# KiCad board vme-wren.kicad_pcb (continued)
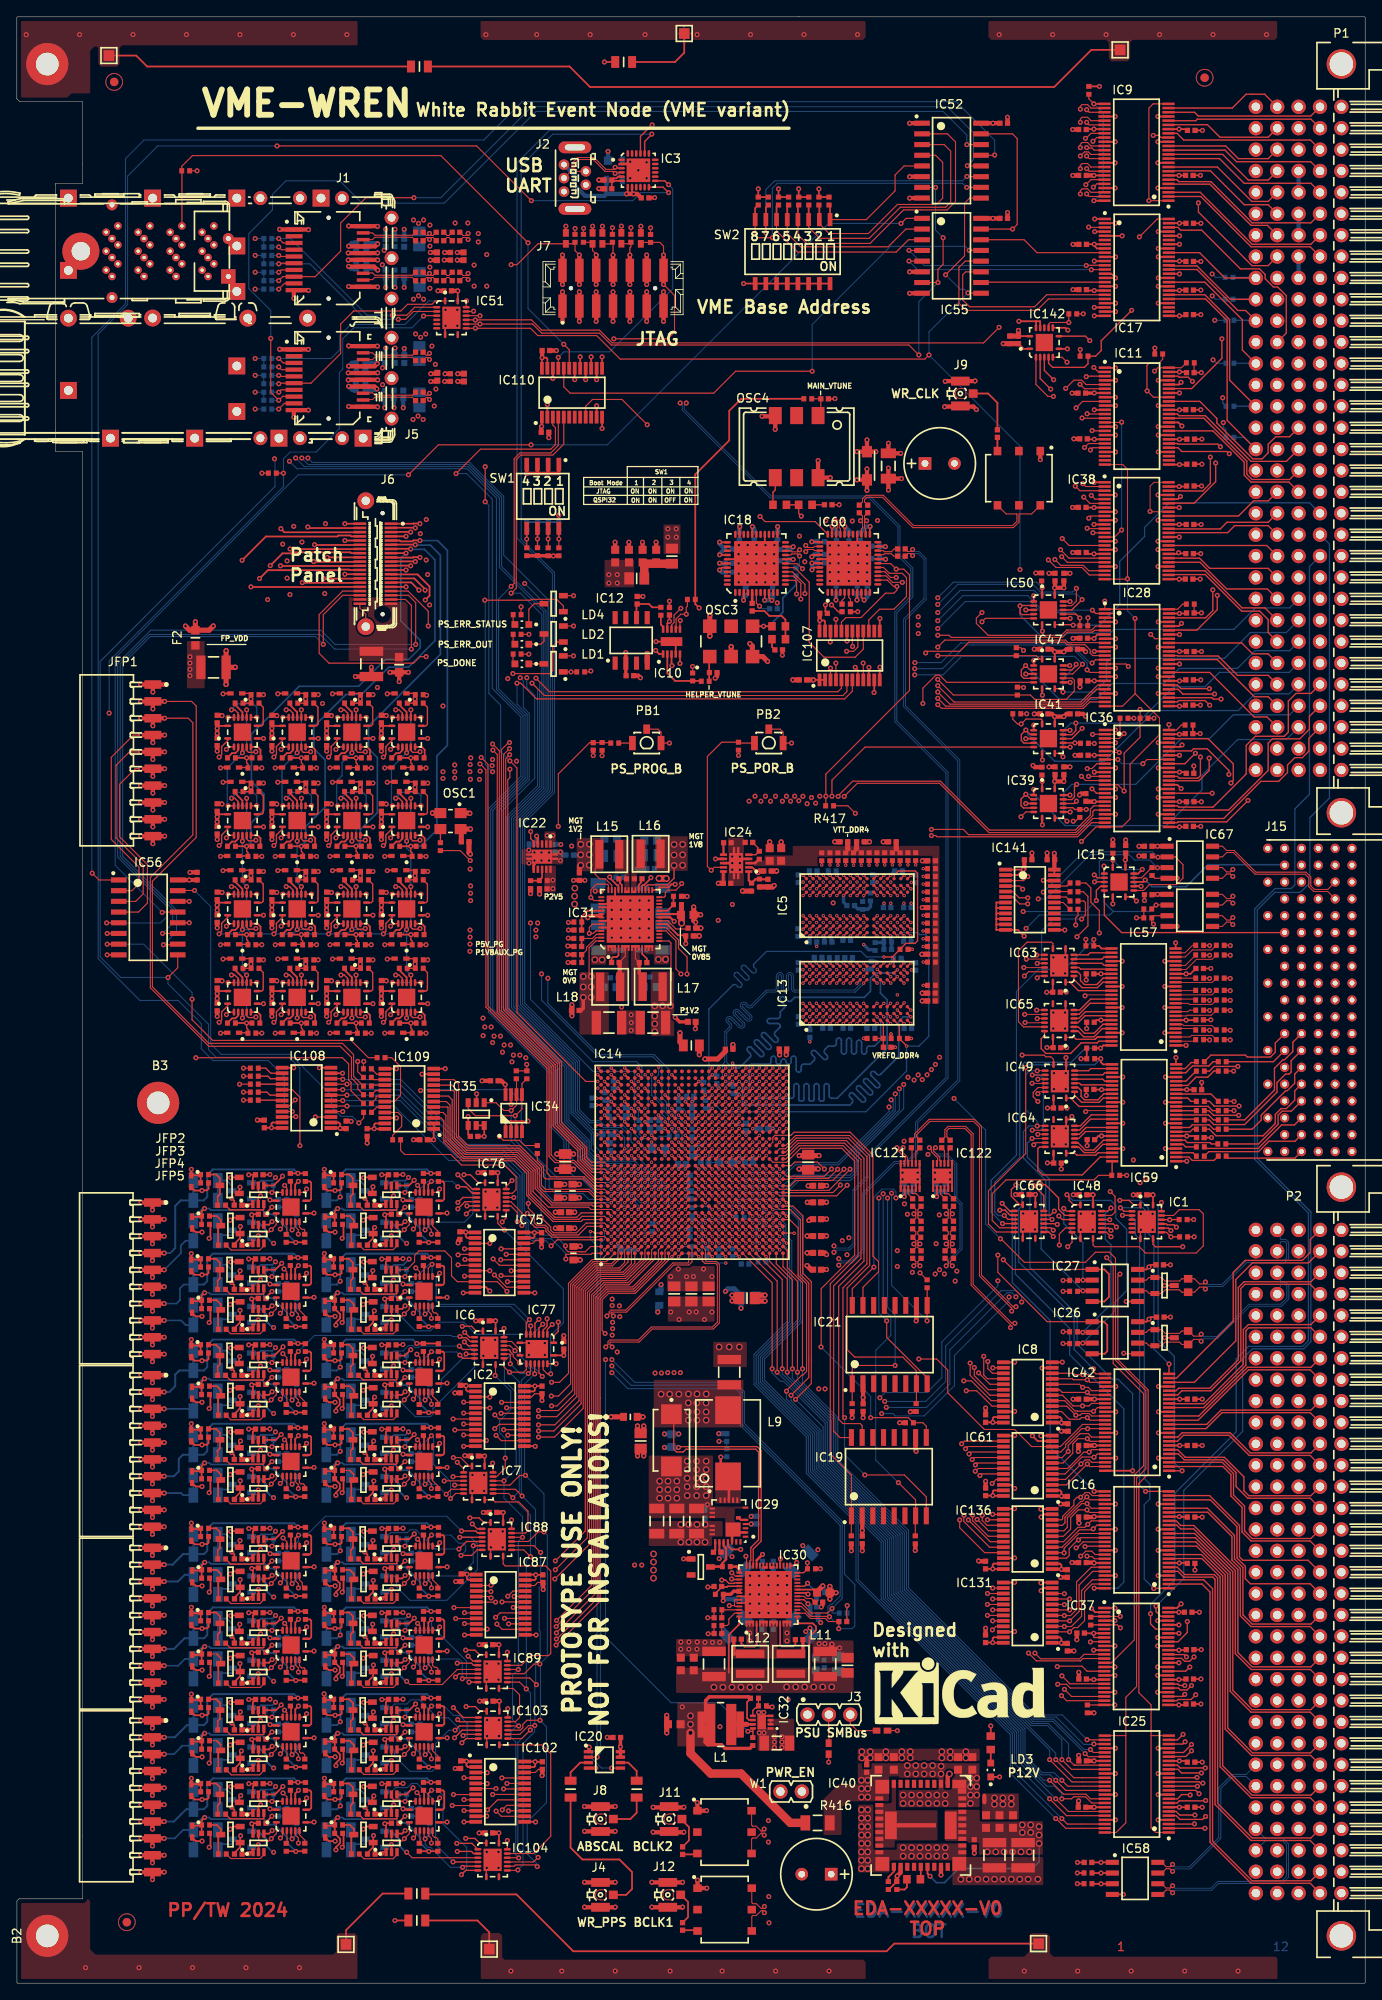
[diagram p0: board, top side]
## Nets (continued)
P1V8: C21.1 C27.2 C29.2 C42.2 C43.2 C44.2 C45.2 C46.2 C67.2 C74.2 C87.2 C104.2 C105.2 C106.2 C107.2 C110.2 C111.2 C115.2 C123.2 C129.2 C138.2 C139.2 C145.2 C147.2 C149.2 C151.2 C152.2 C154.1 C158.1 C159.1 C170.1 C172.1 C191.1 C192.1 C221.1 C245.1 C263.2 C280.1 C283.1 C284.1 C285.1 C303.1 C304.1 C350.2 C351.2 C377.1 C379.1 C393.1 C398.1 C399.1 C404.1 C405.1 C408.1 C414.1 C415.1 C420.1 C421.1 C426.1 C427.1 C430.1 C436.1 C437.1 C442.1 C443.1 C448.1 C449.1 C454.1 C455.1 C458.1 C465.1 C467.1 C487.1 C489.1 C492.1 C493.1 C498.1 C499.1 C504.1 C505.1 C510.1 C511.1 C526.1 C536.1 C547.1 IC2.1 IC2.2 IC8.1 IC8.2 IC14.AB17 IC14.AC5 IC14.AD8 IC14.AE16 IC14.AG7 IC14.AG17 IC14.B7 IC14.D3 IC14.D18 IC14.E6 IC14.G17 IC14.H5 IC14.J3 IC14.L4 IC14.M13 IC14.M14 IC14.M15 IC14.M16 IC14.N16 IC14.U19 IC14.U20 IC14.V19 IC14.W19 IC16.31 IC16.42 IC17.31 IC17.42 IC18.21 IC18.32 IC18.39 IC18.40 IC19.2 IC21.2 IC25.31 IC25.42 IC30.15 IC30.22 IC30.56 IC33.6 IC34.8 IC35.5 IC35.6 IC42.31 IC42.42 IC43.6 IC45.6 IC46.6 IC54.6 IC60.21 IC60.32 IC60.39 IC60.40 IC61.1 IC61.2 IC68.6 IC70.6 IC71.6 IC73.6 IC74.6 IC75.1 IC75.2 IC79.6 IC80.6 IC82.6 IC83.6 IC85.6 IC86.6 IC87.1 IC87.2 IC91.6 IC92.6 IC94.6 IC95.6 IC97.6 IC98.6 IC100.6 IC101.6 IC102.1 IC102.2 IC106.6 IC107.1 IC107.2 IC108.1 IC108.2 IC109.1 IC109.2 IC110.1 IC111.6 IC113.6 IC114.6 IC116.6 IC117.6 IC119.6 IC120.6 IC131.1 IC131.2 IC136.1 IC136.2 IC141.1 IC141.2 L5.1 L6.1 L11.2 L12.2 R8.2 R12.2 R13.2 R14.2 R15.2 R16.2 R63.2 R169.2 R226.2
P2V5: C150.2 C153.2 C155.2 C156.2 C214.2 IC5.B1 IC5.R9 IC13.B1 IC13.R9 IC22.9 IC22.10 R62.2
P3V3: C6.2 C7.2 C8.1 C14.2 C20.1 C22.2 C23.2 C24.2 C26.2 C28.1 C47.1 C50.1 C51.1 C54.2 C55.1 C56.2 C57.2 C58.2 C62.1 C63.1 C70.2 C71.1 C72.2 C73.2 C88.2 C100.2 C101.2 C108.2 C109.2 C114.2 C118.2 C119.2 C124.2 C125.2 C132.2 C137.2 C141.1 C142.1 C143.2 C144.2 C163.1 C164.2 C166.1 C167.1 C168.1 C173.1 C176.1 C177.1 C186.1 C187.1 C189.1 C190.2 C207.1 C208.1 C209.1 C210.2 C212.1 C213.2 C215.2 C216.2 C217.2 C219.2 C222.2 C223.2 C226.2 C227.2 C228.1 C229.1 C234.2 C235.2 C236.2 C237.2 C238.1 C239.1 C240.1 C241.1 C242.2 C243.2 C244.1 C249.1 C250.2 C251.2 C252.1 C253.1 C254.2 C268.2 C269.1 C274.2 C277.1 C278.1 C279.1 C297.1 C301.2 C305.2 C306.1 C307.1 C308.2 C318.1 C319.1 C320.2 C321.2 C322.2 C323.2 C345.1 C346.2 C347.2 C348.2 C352.2 C354.1 C370.2 C371.2 C372.1 C373.1 C376.1 C378.1 C380.1 C381.2 C382.1 C383.2 C384.1 C385.2 C386.1 C387.2 C388.2 C389.2 C390.2 C391.2 C392.2 C394.1 C395.1 C396.1 C397.2 C400.1 C401.1 C402.1 C403.2 C406.2 C407.1 C409.2 C410.1 C411.1 C412.1 C413.2 C416.1 C417.1 C418.1 C419.2 C422.1 C423.1 C424.1 C425.2 C428.2 C429.1 C431.2 C432.1 C433.1 C434.1 C435.2 C438.1 C439.1 C440.1 C441.2 C444.1 C445.1 C446.1 C447.2 C450.1 C451.1 C452.1 C453.2 C456.2 C457.1 C459.2 C460.1 C461.1 C462.1 C463.2 C464.1 C466.1 C486.1 C488.1 C490.2 C491.1 C494.1 C495.1 C496.1 C497.2 C500.1 C501.1 C502.1 C503.2 C506.1 C507.1 C508.1 C509.2 C512.2 C517.1 C518.2 C519.1 C520.2 C521.1 C522.2 C523.1 C524.2 C525.1 C527.1 C528.2 C529.1 C530.2 C531.1 C532.2 C533.1 C534.2 C535.1 C537.1 C538.2 C539.1 C540.2 C541.1 C542.2 C543.1 C544.2 C546.1 C548.1 C549.1 D11.2 D12.2 D15.2 D16.2 D19.2 D20.2 D23.2 D24.2 D27.2 D28.2 D31.2 D32.2 D35.2 D36.2 D39.2 D40.2 D43.2 D44.2 D47.2 D50.2 D53.2 D54.2 D57.2 D58.2 D61.2 D62.2 D65.2 D66.2 D67.2 D68.2 D71.2 D72.2 IC1.16 IC2.23 IC2.24 IC6.16 IC7.16 IC8.23 IC8.24 IC9.7 IC9.8 IC9.11 IC9.18 IC9.25 IC9.31 IC9.35 IC9.38 IC9.42 IC9.44 IC9.47 IC11.7 IC11.11 IC11.18 IC11.25 IC11.31 IC11.35 IC11.38 IC11.42 IC11.44 IC11.47 IC14.AA14 IC14.AC10 IC14.AD13 IC14.AG12 IC14.B12 IC14.C15 IC14.E11 IC14.F14 IC14.H20 IC14.L19 IC14.M17 IC14.P18 IC15.14 IC16.7 IC16.18 IC17.7 IC17.18 IC20.1 IC20.7 IC20.8 IC22.1 IC22.2 IC23.14 IC24.7 IC24.10 IC25.7 IC25.18 IC26.8 IC27.8 IC28.7 IC28.11 IC28.18 IC28.25 IC28.31 IC28.35 IC28.38 IC28.42 IC28.44 IC28.47 IC29.22 IC30.20 IC31.20 IC33.1 IC36.7 IC36.11 IC36.18 IC36.25 IC36.31 IC36.35 IC36.38 IC36.42 IC36.44 IC36.47 IC37.7 IC37.8 IC37.11 IC37.18 IC37.25 IC37.31 IC37.35 IC37.38 IC37.41 IC37.42 IC37.44 IC37.47 IC38.7 IC38.11 IC38.18 IC38.25 IC38.31 IC38.35 IC38.38 IC38.42 IC38.44 IC38.47 IC39.14 IC40.27 IC40.34 IC40.35 IC40.36 IC40.37 IC40.38 IC40.41 IC41.14 IC42.7 IC42.18 IC43.1 IC44.14 IC45.1 IC46.1 IC47.14 IC48.16 IC49.16 IC50.14 IC51.16 IC52.16 IC53.14 IC54.1 IC55.16 IC56.16 IC57.1 IC58.1 IC59.1 IC59.7 IC59.18 IC59.24 IC59.31 IC59.42 IC61.23 IC61.24 IC62.14 IC63.16 IC64.16 IC65.16 IC66.16 IC67.1 IC68.1 IC69.14 IC70.1 IC71.1 IC72.14 IC73.1 IC74.1 IC75.23 IC75.24 IC76.16 IC77.16 IC78.14 IC79.1 IC80.1 IC81.14 IC82.1 IC83.1 IC84.14 IC85.1 IC86.1 IC87.23 IC87.24 IC88.16 IC89.16 IC90.14 IC91.1 IC92.1 IC93.14 IC94.1 IC95.1 IC96.14 IC97.1 IC98.1 IC99.14 IC100.1 IC101.1 IC102.23 IC102.24 IC103.16 IC104.16 IC105.14 IC106.1 IC107.23 IC107.24 IC108.23 IC108.24 IC109.23 IC109.24 IC110.23 IC110.24 IC111.1 IC112.14 IC113.1 IC114.1 IC115.14 IC116.1 IC117.1 IC118.14 IC119.1 IC120.1 IC121.2 IC122.2 IC123.1 IC123.7 IC123.18 IC123.24 IC123.31 IC123.42 IC124.14 IC125.14 IC126.14 IC127.14 IC128.14 IC129.14 IC130.14 IC131.23 IC131.24 IC132.14 IC133.14 IC134.14 IC135.14 IC136.23 IC136.24 IC137.14 IC138.14 IC139.14 IC140.14 IC141.23 IC141.24 IC142.14 J7.2 L3.2 L4.2 L7.1 L8.2 L13.1 L19.2 OSC1.1 OSC1.4 R2.2 R3.2 R4.2 R5.2 R6.2 R7.2 R9.2 R10.2 R17.2 R18.2 R19.2 R24.2 R25.2 R26.2 R30.2 R31.2 R46.2 R48.2 R49.2 R51.2 R52.2 R53.2 R54.2 R55.2 R56.2 R59.2 R60.2 R61.2 R67.2 R69.2 R89.2 R92.2 R99.2 R101.2 R102.2 R104.2 R117.2 R118.2 R128.2 R133.2 R140.2 R141.2 R148.2 R154.2 R155.2 R168.2 R170.2 R171.2 R177.2 R178.2 R186.2 R189.2 R196.2 R197.2 R198.2 R203.2 R204.2 R223.2 R227.1 R254.2 R255.2 R260.2 R263.2 R264.2 R273.2 R274.2 R287.2 R288.2 R301.2 R302.2 R316.2 R329.2 R330.1 R343.1 R344.1 R357.1 R358.1 R371.1 R372.1 R385.1 R388.2 R389.2 R390.2 R391.2 R392.2 R393.2 R394.2 R395.2 R403.1 R585.2 R586.2 R587.2 R588.2 R589.2 R590.2 R591.2 R592.2 R593.2 R594.2 R595.2
P3V3_CLK: C17.2 C18.2 C68.2 C69.2 C77.2 C121.2 C122.2 C218.2 C255.2 C256.2 C257.2 C258.2 C259.2 C260.2 C261.2 C262.2 C264.2 C267.2 IC10.5 IC10.9 IC12.2 IC18.3 IC18.8 IC18.9 IC18.18 IC18.23 IC18.29 IC18.34 IC18.37 IC60.3 IC60.8 IC60.9 IC60.18 IC60.23 IC60.29 IC60.34 IC60.37 L14.2 OSC3.2 OSC3.6
P3V3_VME: P1.D12 P1.D14 P1.D16 P1.D18 P1.D20 P1.D22 P1.D24 P1.D26 P1.D28 P1.D30
P5V_STDBY_VME: P1.B31
P5V_VME: C188.2 C193.2 C196.2 C197.2 C206.1 C211.2 F1.1 F2.1 IC40.1 IC40.3 IC40.11 IC40.12 IC40.39 IC40.40 P1.A32 P1.B32 P1.C32 P2.B1 P2.B13 P2.B32 R416.2
P12V: C1.1 C2.1 C169.1 C171.1 C324.1 C325.1 C326.1 C327.1 C328.1 C329.1 C330.1 C331.1 C332.1 C333.1 C334.1 C335.1 C336.1 C337.1 C338.1 C339.1 C349.1 IC29.16 IC29.17 IC29.18 IC30.1 IC30.2 IC30.3 IC30.12 IC30.13 IC30.14 IC30.32 IC30.39 IC31.1 IC31.2 IC31.3 IC31.12 IC31.13 IC31.14 IC31.32 IC31.39 IC32.2 IC32.3 P1.C31 R251.1
VCC_PSADC: C97.2 C98.2 IC14.P12 IC14.Y20 L6.2
VCC_PSDDR_PLL: C32.2 C96.2 IC14.U16 IC14.U18 L5.2
VCC_PSPLL: C83.2 C84.2 C281.1 IC14.T16 IC14.T17 IC14.T18 IC30.23 R206.2
/clocks/FPGA-PL_CLKSYS_N: IC14.C4 IC60.31
/clocks/FPGA-PL_CLKSYS_P: IC14.D4 IC60.30
/clocks/FPGA-PS_CLKREF: IC14.R16 R27.2
/clocks/PLLDAC_OUT1: C76.2 OSC4.1 R58.2
/clocks/PLLDAC_OUT2: C75.2 OSC3.1 R57.2
/clocks/TRAFO1_N: C248.1 TR2.6
/clocks/TRAFO1_P: C246.1 TR2.4
/clocks/WR_CLK_SFP_AC_N: C266.2 IC60.19
/clocks/WR_CLK_SFP_AC_P: C265.2 IC60.20
/DDR4-PS.A0: IC5.P3 IC13.P3 IC14.W28 R70.1
/DDR4-PS.A1: IC5.P7 IC13.P7 IC14.Y28 R71.1
/DDR4-PS.A2: IC5.R3 IC13.R3 IC14.AB28 R72.1
/DDR4-PS.A3: IC5.N7 IC13.N7 IC14.AA28 R73.1
/DDR4-PS.A4: IC5.N3 IC13.N3 IC14.Y27 R74.1
/DDR4-PS.A5: IC5.P8 IC13.P8 IC14.AA27 R75.1
/DDR4-PS.A6: IC5.P2 IC13.P2 IC14.Y22 R76.1
/DDR4-PS.A7: IC5.R8 IC13.R8 IC14.AA23 R77.1
/DDR4-PS.A8: IC5.R2 IC13.R2 IC14.AA22 R78.1
/DDR4-PS.A9: IC5.R7 IC13.R7 IC14.AB23 R79.1
/DDR4-PS.A10: IC5.M3 IC13.M3 IC14.AA25 R80.1
/DDR4-PS.A11: IC5.T2 IC13.T2 IC14.AA26 R81.1
/DDR4-PS.A12: IC5.M7 IC13.M7 IC14.AB25 R82.1
/DDR4-PS.A13: IC5.T8 IC13.T8 IC14.AB26 R83.1
/DDR4-PS.ACTN: IC5.L3 IC13.L3 IC14.Y23 R97.1
/DDR4-PS.ALERTN: IC5.P9 IC13.P9 IC14.U25 R113.1
/DDR4-PS.BA0: IC5.N2 IC13.N2 IC14.V23 R108.1
/DDR4-PS.BA1: IC5.N8 IC13.N8 IC14.W22 R109.1
/DDR4-PS.BG0: IC5.M2 IC13.M2 IC14.W24 R110.1
/DDR4-PS.CASN: IC5.M8 IC13.M8 IC14.AC24 R85.1
/DDR4-PS.CK_N: IC5.K8 IC13.K8 IC14.W26 R112.1
/DDR4-PS.CK_P: IC5.K7 IC13.K7 IC14.W25 R111.1
/DDR4-PS.CKE: IC5.K2 IC13.K2 IC14.V28 R96.1
/DDR4-PS.CSN: IC5.L7 IC13.L7 IC14.W27 R106.1
/DDR4-PS.DM0: IC13.E7 IC14.AG20
/DDR4-PS.DM1: IC13.E2 IC14.AE23
/DDR4-PS.DM2: IC5.E7 IC14.AE25
/DDR4-PS.DM3: IC5.E2 IC14.AE28
/DDR4-PS.DQ0: IC13.G2 IC14.AH21
/DDR4-PS.DQ1: IC13.F7 IC14.AD21
/DDR4-PS.DQ2: IC13.H3 IC14.AD20
/DDR4-PS.DQ3: IC13.H7 IC14.AF20
/DDR4-PS.DQ4: IC13.H2 IC14.AH20
/DDR4-PS.DQ5: IC13.H8 IC14.AE20
/DDR4-PS.DQ6: IC13.J3 IC14.AH19
/DDR4-PS.DQ7: IC13.J7 IC14.AG19
/DDR4-PS.DQ8: IC13.A3 IC14.AG24
/DDR4-PS.DQ9: IC13.B8 IC14.AE24
/DDR4-PS.DQ10: IC13.C3 IC14.AF22
/DDR4-PS.DQ11: IC13.C7 IC14.AH23
/DDR4-PS.DQ12: IC13.C2 IC14.AH22
/DDR4-PS.DQ13: IC13.C8 IC14.AH24
/DDR4-PS.DQ14: IC13.D3 IC14.AE22
/DDR4-PS.DQ15: IC13.D7 IC14.AD22
/DDR4-PS.DQ16: IC5.G2 IC14.AH26
/DDR4-PS.DQ17: IC5.F7 IC14.AD24
/DDR4-PS.DQ18: IC5.H3 IC14.AG26
/DDR4-PS.DQ19: IC5.H7 IC14.AC26
/DDR4-PS.DQ20: IC5.H2 IC14.AH25
/DDR4-PS.DQ21: IC5.H8 IC14.AD26
/DDR4-PS.DQ22: IC5.J3 IC14.AG25
/DDR4-PS.DQ23: IC5.J7 IC14.AD25
/DDR4-PS.DQ24: IC5.A3 IC14.AD28
/DDR4-PS.DQ25: IC5.B8 IC14.AC28
/DDR4-PS.DQ26: IC5.C3 IC14.AD27
/DDR4-PS.DQ27: IC5.C7 IC14.AC27
/DDR4-PS.DQ28: IC5.C2 IC14.AG28
/DDR4-PS.DQ29: IC5.C8 IC14.AF28
/DDR4-PS.DQ30: IC5.D3 IC14.AH28
/DDR4-PS.DQ31: IC5.D7 IC14.AH27
/DDR4-PS.DQS_N0: IC13.F3 IC14.AG21
/DDR4-PS.DQS_N1: IC13.A7 IC14.AG23
/DDR4-PS.DQS_N2: IC5.F3 IC14.AF26
/DDR4-PS.DQS_N3: IC5.A7 IC14.AF27
/DDR4-PS.DQS_P0: IC13.G3 IC14.AF21
/DDR4-PS.DQS_P1: IC13.B7 IC14.AF23
/DDR4-PS.DQS_P2: IC5.G3 IC14.AF25
/DDR4-PS.DQS_P3: IC5.B7 IC14.AE27
/DDR4-PS.ODT: IC5.K3 IC13.K3 IC14.U28 R107.1
/DDR4-PS.PAR: IC5.T3 IC13.T3 IC14.V24 R105.1
/DDR4-PS.RASN: IC5.L8 IC13.L8 IC14.AC23 R91.1
/DDR4-PS.RSTN: IC5.P1 IC13.P1 IC14.U23 R115.2
/DDR4-PS.WEN: IC5.L2 IC13.L2 IC14.AB24 R84.1
/ddr4-ps/DDR4-PS_VREF0: C224.2 IC13.M1 R44.2 R194.1
/ddr4-ps/DDR4-PS_VREF1: C225.2 IC5.M1 R119.2 R195.1
/ddr4-ps/DDR4-PS_ZQ0: IC13.F9 R23.2
/ddr4-ps/DDR4-PS_ZQ1: IC5.F9 R34.2
/fp_connectors/FP_VDD: C545.1 F2.2 JFP1.8
/FP_ID0: IC56.2 JFP1.4
/FP_ID1: IC56.3 JFP1.5
/FP_ID2: IC56.4 JFP1.6
/FP_IO0: D3.1 JFP2.2 R32.2 R33.2 R35.2 R42.1 R476.2 R477.2
/FP_IO1: D9.1 JFP2.3 R28.2 R29.2 R36.2 R41.2 R43.1 R454.2
/FP_IO2: D13.1 JFP2.4 R129.2 R130.2 R131.2 R136.1 R478.2 R479.2
/FP_IO3: D14.1 JFP2.5 R50.2 R123.2 R132.2 R135.2 R137.1 R457.2
/FP_IO4: D17.1 JFP2.7 R144.2 R145.2 R146.2 R150.1 R480.2 R481.2
/FP_IO5: D18.1 JFP2.8 R142.2 R143.2 R147.2 R149.2 R151.1 R459.2
/FP_IO6: D21.1 JFP2.9 R158.2 R159.2 R166.2 R173.1 R482.2 R483.2
/FP_IO7: D22.1 JFP2.10 R156.2 R157.2 R167.2 R172.2 R174.1 R461.2
/FP_IO8: D33.1 JFP3.2 R277.2 R278.2 R279.2 R283.1 R486.2 R487.2
/FP_IO9: D34.1 JFP3.3 R275.2 R276.2 R280.2 R282.2 R284.1 R465.2
/FP_IO10: D37.1 JFP3.4 R291.2 R292.2 R293.2 R297.1 R488.2 R489.2
/FP_IO11: D38.1 JFP3.5 R289.2 R290.2 R294.2 R296.2 R298.1 R466.2
/FP_IO12: D41.1 JFP3.7 R305.2 R306.2 R307.2 R311.1 R490.2 R491.2
/FP_IO13: D42.1 JFP3.8 R303.2 R304.2 R308.2 R310.2 R312.1 R467.2
/FP_IO14: D25.1 JFP3.9 R182.2 R183.2 R184.2 R269.1 R484.2 R485.2
/FP_IO15: D26.1 JFP3.10 R179.2 R180.2 R185.2 R268.2 R270.1 R464.2
/FP_IO16: D51.1 JFP4.2 R347.2 R348.2 R349.2 R353.1 R496.2 R497.2
/FP_IO17: D52.1 JFP4.3 R345.2 R346.2 R350.2 R352.2 R354.1 R470.2
/FP_IO18: D45.1 JFP4.4 R319.2 R320.2 R321.2 R325.1 R492.2 R493.2
/FP_IO19: D46.1 JFP4.5 R317.2 R318.2 R322.2 R324.2 R326.1 R468.2
/FP_IO20: D48.1 JFP4.7 R333.2 R334.2 R335.2 R339.1 R494.2 R495.2
/FP_IO21: D49.1 JFP4.8 R331.2 R332.2 R336.2 R338.2 R340.1 R469.2
/FP_IO22: D55.1 JFP4.9 R361.2 R362.2 R363.2 R367.1 R498.2 R499.2
/FP_IO23: D56.1 JFP4.10 R359.2 R360.2 R364.2 R366.2 R368.1 R471.2
/FP_IO24: D59.1 JFP5.2 R375.2 R376.2 R377.2 R381.1 R500.2 R501.2
/FP_IO25: D60.1 JFP5.3 R373.2 R374.2 R378.2 R380.2 R382.1 R472.2
/FP_IO26: D73.1 JFP5.4 R434.2 R435.2 R436.2 R440.1 R506.2 R507.2
/FP_IO27: D74.1 JFP5.5 R432.2 R433.2 R437.2 R439.2 R441.1 R475.2
/FP_IO28: D63.1 JFP5.7 R406.2 R407.2 R408.2 R412.1 R502.2 R503.2
/FP_IO29: D64.1 JFP5.8 R404.2 R405.2 R409.2 R411.2 R413.1 R473.2
/FP_IO30: D69.1 JFP5.9 R420.2 R421.2 R422.2 R426.1 R504.2 R505.2
/FP_IO31: D70.1 JFP5.10 R418.2 R419.2 R423.2 R425.2 R427.1 R474.2
/FP_LED0_DATA: JFP1.2 R453.2
/FP_LED1_DATA: JFP1.3 R451.2
/fpga/F_P0.BUNCHCLK1: IC14.J11 IC15.9 IC67.2 R265.1
/fpga/F_P0.BUNCHCLK2: IC14.H12 IC15.12 IC67.3 R266.1
/fpga/F_P0.RS485_DATA0: IC14.W10 IC27.1 IC27.4
/fpga/F_P0.RS485_DATA1: IC14.Y10 IC26.1 IC26.4
/fpga/F_P0.TTC_DATA0: IC14.D11 IC58.2 R126.2
/fpga/F_P0.TTC_DATA1: IC14.D10 IC58.3 R192.2
/fpga/F_P0.TURNCLK1: IC14.F13 IC15.2 IC57.2 R124.2
/fpga/F_P0.TURNCLK2: IC14.E10 IC15.5 IC57.3 R122.2
/fpga/fpga-config/JTAG_TCK: D4.1 IC14.R19 J7.6 R52.1 R190.2
/fpga/fpga-config/JTAG_TDI: D6.1 IC14.R18 J7.10 R54.1
/fpga/fpga-config/JTAG_TDO: D5.1 IC14.T21 J7.8 R53.1
/fpga/fpga-config/JTAG_TMS: D2.1 IC14.N21 J7.4 R51.1
/fpga/fpga-config/PS_DONE: IC14.M21 R5.1 T2.1
/fpga/fpga-config/PS_ERR_OUT: IC14.P17 T3.1
/fpga/fpga-config/PS_ERR_STATUS: IC14.M20 T4.1
/fpga/fpga-config/PS_INIT_B: IC14.P21 R9.1
/fpga/fpga-config/PS_MODE0: IC14.P19 R7.1 R160.2 SW1.8
/fpga/fpga-config/PS_MODE1: IC14.P20 R24.1 R161.2 SW1.7
/fpga/fpga-config/PS_MODE2: IC14.R20 R118.1 R162.2 SW1.6
/fpga/fpga-config/PS_MODE3: IC14.T20 R128.1 R163.2 SW1.5
/fpga/fpga-config/PS_PROG_B: C302.2 IC14.R17 R170.1 R191.1
/fpga/fpga-config/PS_SRST_B: D1.1 IC14.N19 J7.14 R46.1
/fpga/fpga-hd-banks/F_SFP_LED_DATA: IC14.A10 R193.1
/fpga/fpga-hp-banks/F_FP_LED0_DATA: IC14.A8 IC109.7
/fpga/fpga-hp-banks/F_FP_LED1_DATA: IC14.B8 IC109.8
/fpga/fpga-hp-banks/F_IOEXP_ALL_OE_N: IC14.K7 IC108.3
/fpga/fpga-hp-banks/F_IOEXP_ALL_RST_N: IC14.A2 IC108.7
/fpga/fpga-hp-banks/F_IOEXP_FPIO_D: IC14.B6 IC109.4
/fpga/fpga-hp-banks/F_IOEXP_FPIO_RCLK: IC14.A5 IC108.9
/fpga/fpga-hp-banks/F_IOEXP_FPIO_SCLK: IC14.B5 IC108.10
/fpga/fpga-hp-banks/F_IOEXP_GPIO_D: IC14.C7 IC109.6
/fpga/fpga-hp-banks/F_IOEXP_GPIO_Q: IC14.G8 IC110.3
/fpga/fpga-hp-banks/F_IOEXP_GPIO_RCLK: IC14.A6 IC109.3
/fpga/fpga-hp-banks/F_IOEXP_GPIO_SCLK: IC14.A7 IC109.5
/fpga/fpga-hp-banks/F_IOEXP_HWBYTE1_D: IC14.V9 IC141.4
/fpga/fpga-hp-banks/F_IOEXP_HWBYTE1_RCLK: IC14.L7 IC141.5
/fpga/fpga-hp-banks/F_IOEXP_HWBYTE2_D: IC14.AE8 IC141.3
/fpga/fpga-hp-banks/F_IOEXP_HWBYTE2_RCLK: IC14.L1 IC141.6
/fpga/fpga-hp-banks/F_IOEXP_VME_D: IC14.B3 IC108.8
/fpga/fpga-hp-banks/F_IOEXP_VME_RCLK: IC14.A3 IC108.5
/fpga/fpga-hp-banks/F_IOEXP_VME_SCLK: IC14.A1 IC108.6
/fpga/fpga-hp-banks/F_PERST_N: IC14.L8 IC110.5
/fpga/fpga-hp-banks/F_PP_LED0_DATA: IC14.A9 IC109.9
/fpga/fpga-hp-banks/F_PP_LED1_DATA: IC14.B9 IC109.10
/fpga/fpga-hp-banks/F_SPI_HELPER_CS_N: IC14.M8 IC107.8
/fpga/fpga-hp-banks/F_SPI_MAIN_CS_N: IC14.N8 IC107.9
/fpga/fpga-hp-banks/F_WR_DAC_DIN: IC14.J7 IC107.6
/fpga/fpga-hp-banks/F_WR_DAC_SCLK: IC14.K9 IC107.5
/fpga/fpga-hp-banks/F_WR_DAC_SYNC: IC14.H8 IC107.7
/fpga/fpga-hp-banks/F_WR_UART_RXD: IC14.F8 IC108.4
/fpga/fpga-hp-banks/F_WR_UART_TXD: IC14.H9 IC110.4
/fpga/fpga-hp-banks/F_WRCLK_SPI_MISO: IC14.P9 IC110.9
/fpga/fpga-hp-banks/F_WRCLK_SPI_MOSI: IC14.N7 IC107.3
/fpga/fpga-hp-banks/F_WRCLK_SPI_SCK: IC14.N9 IC107.4
/fpga/fpga-hp-banks/HP4: IC14.AE7
/fpga/fpga-hp-banks/HP9: IC14.AB7
/fpga/fpga-hp-banks/HP50: IC14.U9
/fpga/fpga-hp-banks/HP54: IC14.R8
/fpga/fpga-hp-banks/HP55: IC14.T8
/fpga/fpga-hp-banks/HP72: IC14.J6
/fpga/fpga-hp-banks/HP98: IC14.K5
/fpga/fpga-hp-banks/HP132: IC14.C8
/fpga/fpga-mgts/BCLK_B1_DBG_N: C482.1 TR3.4
/fpga/fpga-mgts/BCLK_B1_DBG_P: C484.1 TR3.6
/fpga/fpga-mgts/BCLK_B2_DBG_N: C472.1 TR1.4
/fpga/fpga-mgts/BCLK_B2_DBG_P: C473.1 TR1.6
/fpga/fpga-mgts/IC121_O1_N: C481.2 IC121.10
/fpga/fpga-mgts/IC121_O1_P: C483.2 IC121.11
/fpga/fpga-mgts/IC122_O1_N: C470.2 IC122.10
/fpga/fpga-mgts/IC122_O1_P: C471.2 IC122.11
/fpga/fpga-mgts/SansDAC_BCLK_B1_N: C476.2 C479.2 IC14.W3
/fpga/fpga-mgts/SansDAC_BCLK_B1_P: C477.2 C480.2 IC14.W4
/fpga/fpga-mgts/SansDAC_BCLK_B2_N: C469.2 C474.2 IC14.U3
/fpga/fpga-mgts/SansDAC_BCLK_B2_P: C468.2 C475.2 IC14.U4
/fpga/GTH_BCLK_B1_N: C479.1 C481.1 IC14.AF6 R444.1
/fpga/GTH_BCLK_B1_P: C480.1 C483.1 IC14.AF7 R444.2
/fpga/GTH_BCLK_B2_N: C470.1 C474.1 IC14.AF5 R445.2
/fpga/GTH_BCLK_B2_P: C471.1 C475.1 IC14.AE5 R445.1
/fpga/PL_UART_RXD: IC3.12 IC108.21
/fpga/PL_UART_TXD: IC3.13 IC110.21
/fpga/PS_POR_B: IC14.P16 IC24.9 PB2.2 R168.1
/fpga/PS_UART_RXD: IC3.20 IC14.H16
/fpga/PS_UART_TXD: IC3.21 IC14.F16
/fpga/USERIO_A.DIR0: IC1.15 IC42.1
/fpga/USERIO_A.DIR1: IC1.1 IC42.24
/fpga/USERIO_A.DIR2: IC1.2 IC16.1
/fpga/USERIO_A.DIR3: IC1.3 IC16.24
/fpga/USERIO_A.IO0: IC14.T6 IC42.46 IC61.4
/fpga/USERIO_A.IO1: IC14.U8 IC42.47 IC61.3
/fpga/USERIO_A.IO2: IC14.V8 IC42.44 IC61.5
/fpga/USERIO_A.IO3: IC14.Y8 IC42.43 IC61.6
/fpga/USERIO_A.IO4: IC14.AB5 IC42.41 IC61.7
/fpga/USERIO_A.IO5: IC14.W8 IC42.40 IC61.8
/fpga/USERIO_A.IO6: IC14.AC4 IC42.38 IC61.9
/fpga/USERIO_A.IO7: IC14.E8 IC42.37 IC61.10
/fpga/USERIO_A.IO8: IC8.4 IC14.AB2 IC42.35
/fpga/USERIO_A.IO9: IC8.3 IC14.AB4 IC42.36
/fpga/USERIO_A.IO10: IC8.5 IC14.AB3 IC42.33
/fpga/USERIO_A.IO11: IC8.6 IC14.AC2 IC42.32
/fpga/USERIO_A.IO12: IC8.7 IC14.AC3 IC42.30
/fpga/USERIO_A.IO13: IC8.8 IC14.AD2 IC42.29
/fpga/USERIO_A.IO14: IC8.9 IC14.AD4 IC42.27
/fpga/USERIO_A.IO15: IC8.10 IC14.AE2 IC42.26
/fpga/USERIO_A.IO16: IC14.M6 IC16.46 IC131.4
/fpga/USERIO_A.IO17: IC14.E7 IC16.47 IC131.3
/fpga/USERIO_A.IO18: IC14.G5 IC16.44 IC131.5
/fpga/USERIO_A.IO19: IC14.L6 IC16.43 IC131.6
/fpga/USERIO_A.IO20: IC14.J5 IC16.41 IC131.7
/fpga/USERIO_A.IO21: IC14.K3 IC16.40 IC131.8
/fpga/USERIO_A.IO22: IC14.K4 IC16.38 IC131.9
/fpga/USERIO_A.IO23: IC14.L3 IC16.37 IC131.10
/fpga/USERIO_A.IO24: IC14.J4 IC16.35 IC136.4
/fpga/USERIO_A.IO25: IC14.L5 IC16.36 IC136.3
/fpga/USERIO_A.IO26: IC14.N6 IC16.33 IC136.5
/fpga/USERIO_A.IO27: IC14.P7 IC16.32 IC136.6
/fpga/USERIO_A.IO28: IC14.P6 IC16.30 IC136.7
/fpga/USERIO_A.IO29: IC14.R7 IC16.29 IC136.8
/fpga/USERIO_A.IO30: IC14.R6 IC16.27 IC136.9
/fpga/USERIO_A.IO31: IC14.T7 IC16.26 IC136.10
/fpga/USERIO_A.OE_N0: IC42.48 IC66.15
/fpga/USERIO_A.OE_N1: IC42.25 IC66.1
/fpga/USERIO_A.OE_N2: IC16.48 IC66.2
/fpga/USERIO_A.OE_N3: IC16.25 IC66.3
/I2C.SCL: D8.1 IC14.H21 IC30.18 IC31.18 J3.3 R25.1
/I2C.SDA: D7.1 IC14.L20 IC30.19 IC31.19 J3.2 R26.1
/io_drivers_fp/bank0/EN0: IC23.1 IC23.4 IC33.5 IC76.2 R6.1
/io_drivers_fp/bank0/EN1: IC23.10 IC23.13 IC43.5 IC76.3 R10.1
/io_drivers_fp/bank0/EN2: IC44.1 IC44.4 IC45.5 IC76.6 R197.1
/io_drivers_fp/bank0/EN3: IC44.10 IC44.13 IC46.5 IC76.7 R48.1
/io_drivers_fp/bank0/EN4: IC53.1 IC53.4 IC54.5 IC77.2 R198.1
/io_drivers_fp/bank0/EN5: IC53.10 IC53.13 IC68.5 IC77.3 R49.1
/io_drivers_fp/bank0/EN6: IC69.1 IC69.4 IC70.5 IC77.6 R203.1
/io_drivers_fp/bank0/EN7: IC69.10 IC69.13 IC71.5 IC77.7 R140.1
/io_drivers_fp/bank0/OUT0: IC23.2 IC23.5 IC75.21
/io_drivers_fp/bank0/OUT1: IC23.9 IC23.12 IC75.20
/io_drivers_fp/bank0/OUT2: IC44.2 IC44.5 IC75.19
/io_drivers_fp/bank0/OUT3: IC44.9 IC44.12 IC75.18
/io_drivers_fp/bank0/OUT4: IC53.2 IC53.5 IC75.17
/io_drivers_fp/bank0/OUT5: IC53.9 IC53.12 IC75.16
/io_drivers_fp/bank0/OUT6: IC69.2 IC69.5 IC75.15
/io_drivers_fp/bank0/OUT7: IC69.9 IC69.12 IC75.14
/io_drivers_fp/bank0/TERM_EN0: IC76.15 T40.1
/io_drivers_fp/bank0/TERM_EN1: IC76.1 T5.1
/io_drivers_fp/bank0/TERM_EN2: IC76.4 T41.1
/io_drivers_fp/bank0/TERM_EN3: IC76.5 T7.1
/io_drivers_fp/bank0/TERM_EN4: IC77.15 T42.1
/io_drivers_fp/bank0/TERM_EN5: IC77.1 T9.1
/io_drivers_fp/bank0/TERM_EN6: IC77.4 T43.1
/io_drivers_fp/bank0/TERM_EN7: IC77.5 T11.1
/io_drivers_fp/bank1/EN0: IC6.2 IC78.1 IC78.4 IC79.5 R585.1
/io_drivers_fp/bank1/EN1: IC6.3 IC78.10 IC78.13 IC80.5 R154.1
/io_drivers_fp/bank1/EN2: IC6.6 IC81.1 IC81.4 IC82.5 R586.1
/io_drivers_fp/bank1/EN3: IC6.7 IC81.10 IC81.13 IC83.5 R155.1
/io_drivers_fp/bank1/EN4: IC7.2 IC84.1 IC84.4 IC85.5 R587.1
/io_drivers_fp/bank1/EN5: IC7.3 IC84.10 IC84.13 IC86.5 R177.1
/io_drivers_fp/bank1/EN6: IC7.6 IC72.1 IC72.4 IC73.5 R388.1
/io_drivers_fp/bank1/EN7: IC7.7 IC72.10 IC72.13 IC74.5 R141.1
/io_drivers_fp/bank1/IOEXP_D: IC6.14 IC77.9
/io_drivers_fp/bank1/OUT0: IC2.21 IC78.2 IC78.5
/io_drivers_fp/bank1/OUT1: IC2.20 IC78.9 IC78.12
/io_drivers_fp/bank1/OUT2: IC2.19 IC81.2 IC81.5
/io_drivers_fp/bank1/OUT3: IC2.18 IC81.9 IC81.12
/io_drivers_fp/bank1/OUT4: IC2.17 IC84.2 IC84.5
/io_drivers_fp/bank1/OUT5: IC2.16 IC84.9 IC84.12
/io_drivers_fp/bank1/OUT6: IC2.15 IC72.2 IC72.5
/io_drivers_fp/bank1/OUT7: IC2.14 IC72.9 IC72.12
/io_drivers_fp/bank1/TERM_EN0: IC6.15 T45.1
/io_drivers_fp/bank1/TERM_EN1: IC6.1 T15.1
/io_drivers_fp/bank1/TERM_EN2: IC6.4 T46.1
/io_drivers_fp/bank1/TERM_EN3: IC6.5 T19.1
/io_drivers_fp/bank1/TERM_EN4: IC7.15 T47.1
/io_drivers_fp/bank1/TERM_EN5: IC7.1 T21.1
/io_drivers_fp/bank1/TERM_EN6: IC7.4 T44.1
/io_drivers_fp/bank1/TERM_EN7: IC7.5 T13.1
/io_drivers_fp/bank2/EN0: IC88.2 IC96.1 IC96.4 IC97.5 R590.1
/io_drivers_fp/bank2/EN1: IC88.3 IC96.10 IC96.13 IC98.5 R273.1
/io_drivers_fp/bank2/EN2: IC88.6 IC90.1 IC90.4 IC91.5 R588.1
/io_drivers_fp/bank2/EN3: IC88.7 IC90.10 IC90.13 IC92.5 R178.1
/io_drivers_fp/bank2/EN4: IC89.2 IC93.1 IC93.4 IC94.5 R589.1
/io_drivers_fp/bank2/EN5: IC89.3 IC93.10 IC93.13 IC95.5 R196.1
/io_drivers_fp/bank2/EN6: IC89.6 IC99.1 IC99.4 IC100.5 R591.1
/io_drivers_fp/bank2/EN7: IC89.7 IC99.10 IC99.13 IC101.5 R274.1
/io_drivers_fp/bank2/IOEXP_D: IC7.9 IC88.14
/io_drivers_fp/bank2/OUT0: IC87.21 IC96.2 IC96.5
/io_drivers_fp/bank2/OUT1: IC87.20 IC96.9 IC96.12
/io_drivers_fp/bank2/OUT2: IC87.19 IC90.2 IC90.5
/io_drivers_fp/bank2/OUT3: IC87.18 IC90.9 IC90.12
/io_drivers_fp/bank2/OUT4: IC87.17 IC93.2 IC93.5
/io_drivers_fp/bank2/OUT5: IC87.16 IC93.9 IC93.12
/io_drivers_fp/bank2/OUT6: IC87.15 IC99.2 IC99.5
/io_drivers_fp/bank2/OUT7: IC87.14 IC99.9 IC99.12
/io_drivers_fp/bank2/TERM_EN0: IC88.15 T50.1
/io_drivers_fp/bank2/TERM_EN1: IC88.1 T27.1
/io_drivers_fp/bank2/TERM_EN2: IC88.4 T48.1
/io_drivers_fp/bank2/TERM_EN3: IC88.5 T23.1
/io_drivers_fp/bank2/TERM_EN4: IC89.15 T49.1
/io_drivers_fp/bank2/TERM_EN5: IC89.1 T25.1
/io_drivers_fp/bank2/TERM_EN6: IC89.4 T51.1
/io_drivers_fp/bank2/TERM_EN7: IC89.5 T29.1
/io_drivers_fp/bank3/EN0: IC103.2 IC105.1 IC105.4 IC106.5 R592.1
/io_drivers_fp/bank3/EN1: IC103.3 IC105.10 IC105.13 IC111.5 R287.1
/io_drivers_fp/bank3/EN2: IC103.6 IC118.1 IC118.4 IC119.5 R595.1
/io_drivers_fp/bank3/EN3: IC103.7 IC118.10 IC118.13 IC120.5 R302.1
/io_drivers_fp/bank3/EN4: IC104.2 IC112.1 IC112.4 IC113.5 R593.1
/io_drivers_fp/bank3/EN5: IC104.3 IC112.10 IC112.13 IC114.5 R288.1
/io_drivers_fp/bank3/EN6: IC104.6 IC115.1 IC115.4 IC116.5 R594.1
/io_drivers_fp/bank3/EN7: IC104.7 IC115.10 IC115.13 IC117.5 R301.1